# Allegro board F103_CH4_V10A.brd (continued)
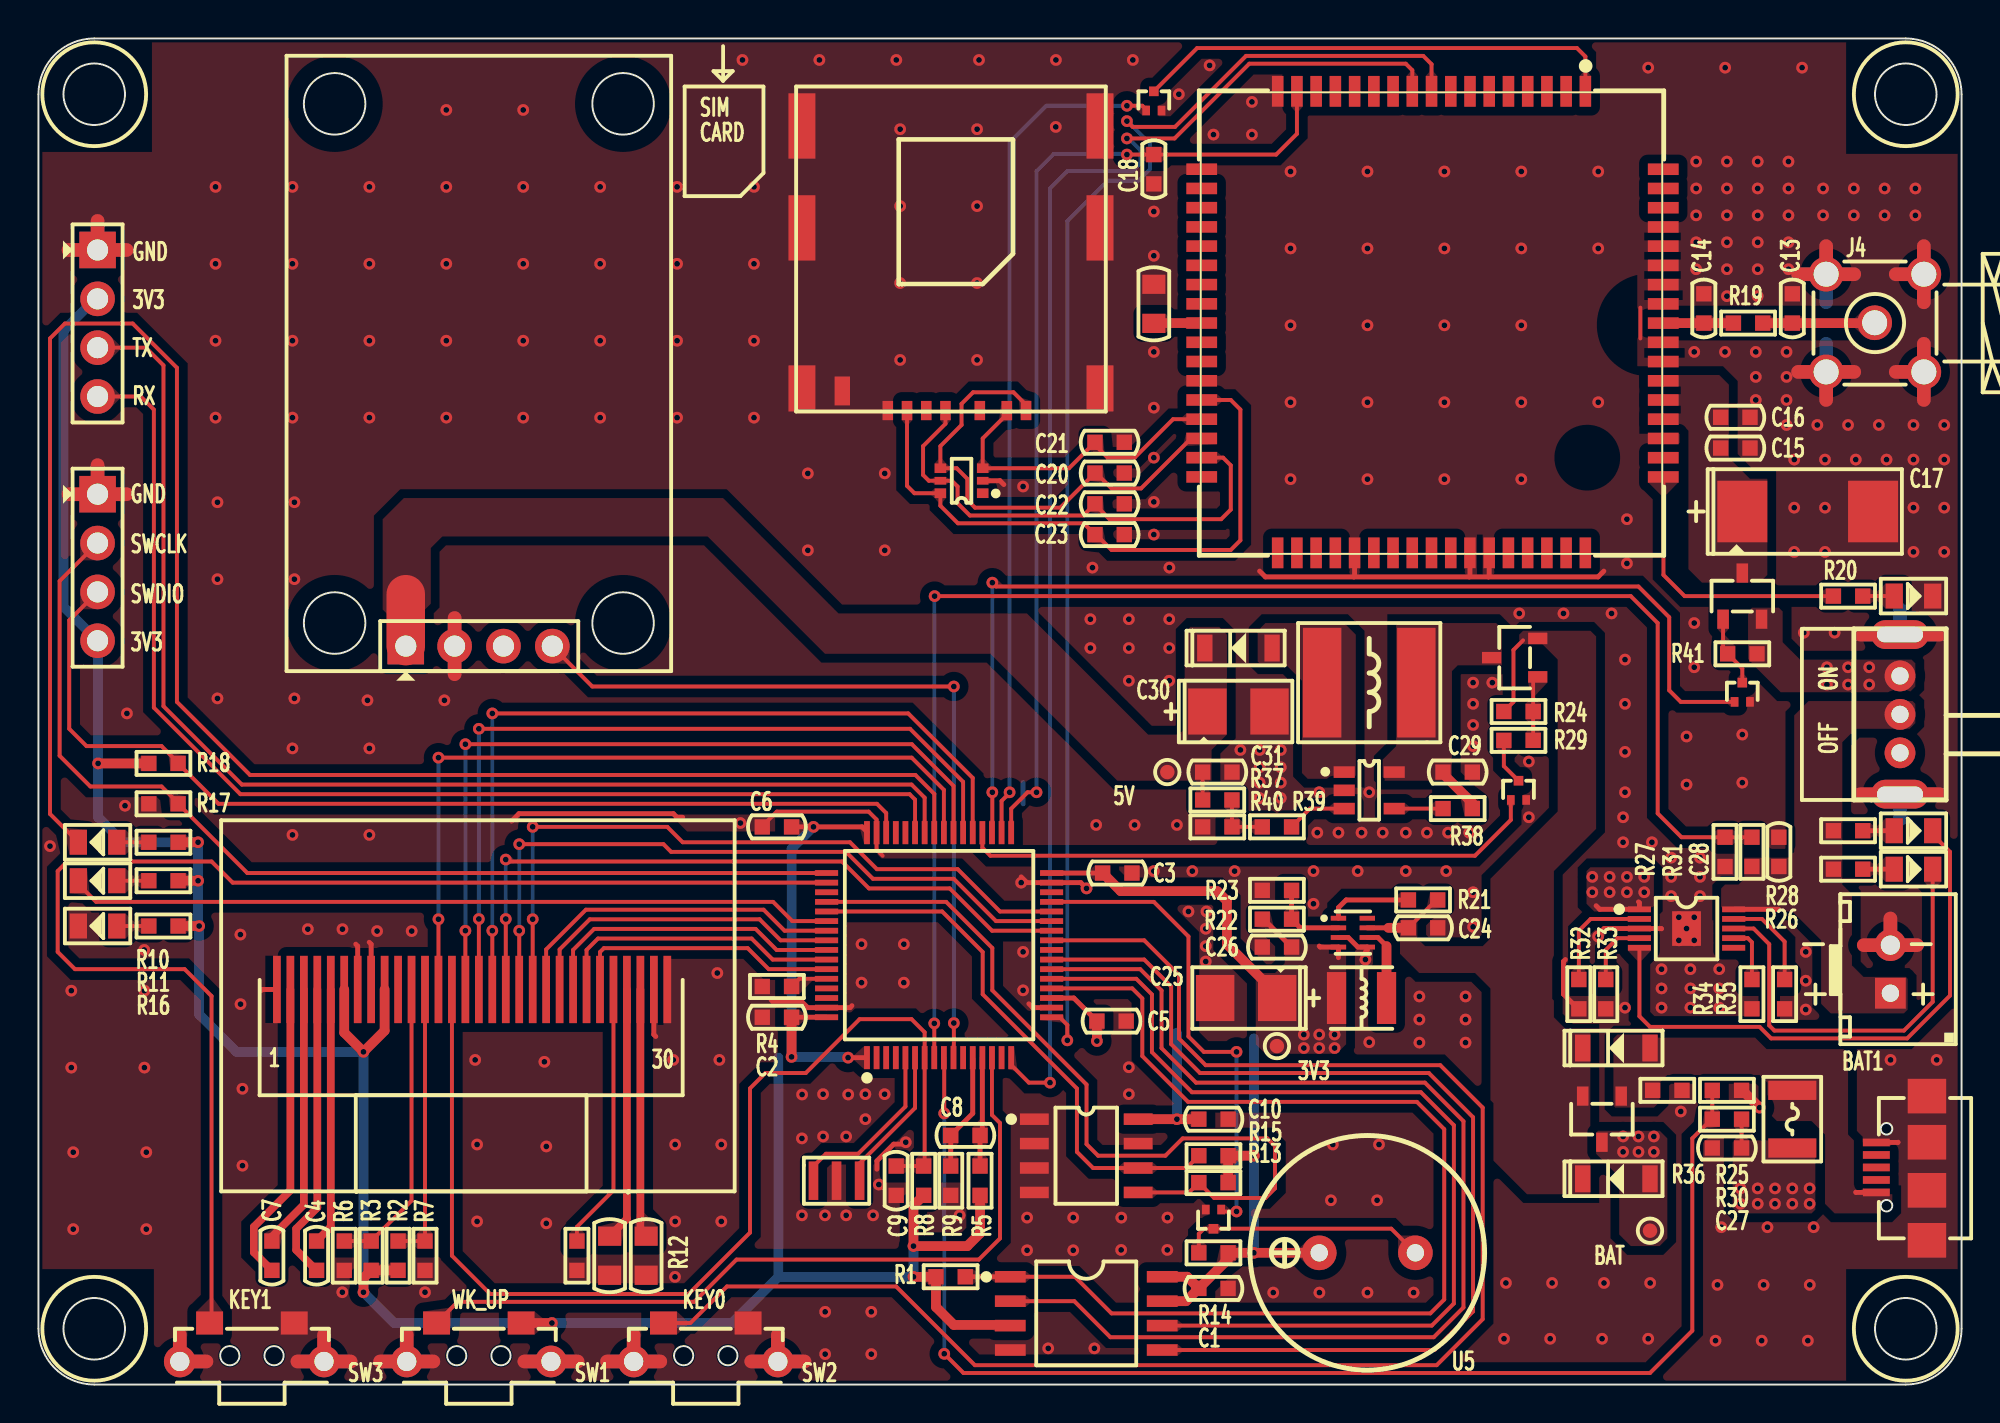
[diagram p0: board, top side]
## Routing (per net, layer and track width the routed paths; a pad name or vN(x,y) marks a point on that pad's centre or on a via; arc(x,y) is an arc through that point)
GND: length 199.9
  TOP w0.203: C6.1 37.64,29.04 38.39,29.79 43.17,29.79 43.58,29.38 U1.47 43.58,27.82 43.9,27.5 ; 83.3,56 83.3,54.4
  TOP w0.254: 96.7,12.6 96.69,12.59 USB1.5 ; U1.18 51.7,19.6 51.5,19.8 ; 75.4,42 74.4,42 ; 75.4,42 81.1,42 81.4,42.3 ; 75.4,42 75.44,42.04 U6.46 ; 74.4,42 74.44,42.04 U6.45 ; 74.4,42 68.4,42 ; v1(54.5,25.8) 54.2,26.1 U1.31 51.4,26.1 51.1,26.4 ; 32.1,18.1 32,18.2 U2.29 ; 24.6,29.3 24.99,29.69 33.01,29.69 33.2,29.5 33.5,29.5 ; 38.1,20 38.2,19.9 39.7,19.9 40,19.6 U1.63 42.2,19.6 42.3,19.7 ; 43.6,11.2 43.6,11.63 44.47,12.5 45,12.5 v1(45.1,12.6) ; 81.2,23.5 81.41,23.71 U9.3 84.39,23.71 84.4,23.7 ; U2.1 11.64,20.54 11.6,20.5 ; U7.2 50,47 50.2,46.8 ; 79.4,22.1 79.3,22 79.3,20.3 80.06,19.54 R32.2 ; 16.5,22.9 16.6,22.8 U2.7 ; U8.3 68.11,23.25 68.61,22.75 U8.5 69.1,22.6 69,22.5 ; 68.4,42 63.8,42 63.5,42.3 ; 68.4,42 68.44,42.04 U6.39 ; 17.2,23 17.3,22.9 U2.8
  TOP w0.508: R25.1 88.7,15.3 88.7,15.2 v1(89.5,14.4)
  TOP w0.711: SW1.4 20.53,1.2 ; SW1.4 19.15,2.58 ; SW1.4 17.77,1.2 ; 21.64,36.94 U11.2 21.64,39.86 ; SW3.1 16.23,1.2 ; SW3.1 14.85,2.58 ; SW3.1 13.47,1.2 ; J2.1 3.07,47.81 ; J2.1 4.58,46.3 ; J2.1 1.56,46.3 ; 94.92,22.85 BAT1.2 ; BAT1.2 96.3,24.23 ; BAT1.2 97.68,22.85 ; 91.5,52.66 J4.3 ; J4.3 94.42,52.66 ; J4.3 92.96,51.2 ; J4.5 98.04,59.2 ; J4.5 96.58,57.74 ; J4.5 98.04,56.28 ; J4.4 98.04,54.12 ; J4.4 96.58,52.66 ; J4.4 98.04,51.2 ; 29.57,1.2 SW2.4 ; SW2.4 30.95,2.58 ; SW2.4 32.33,1.2 ; 28.03,1.2 SW1.1 25.27,1.2 ; J4.2 94.42,57.74 ; J4.2 92.96,59.2 ; J4.2 91.5,57.74 ; SW2.1 38.45,2.58 ; SW2.1 39.83,1.2 ; SW2.1 37.07,1.2 ; 7.35,2.58 SW3.4 8.73,1.2 ; 98.86,30.7 SW4.1 94.74,30.7 ; J3.1 3.07,60.51 ; J3.1 1.56,59 ; J3.1 4.58,59 ; 98.86,39 SW4.5 94.74,39
  BOTTOM w0.254: 51.2,31.3 51.2,30.2
  BOTTOM w0.711: J4.3 92.96,54.12 ; J4.3 91.5,52.66 ; J4.3 92.96,51.2 ; J4.3 94.42,52.66 ; J3.1 4.58,59 ; J3.1 3.07,60.51 ; J3.1 1.56,59 ; 32.33,1.2 SW2.4 29.57,1.2 ; 25.27,1.2 SW1.1 28.03,1.2 ; 96.58,52.66 J4.4 ; J4.4 98.04,54.12 ; J4.4 98.04,51.2 ; 3.07,47.81 J2.1 4.58,46.3 ; 97.68,22.85 BAT1.2 96.3,24.23 ; 98.04,56.28 J4.5 ; J4.5 96.58,57.74 ; J4.5 98.04,59.2 ; 7.35,2.58 SW3.4 8.73,1.2 ; 94.74,39 SW4.5 ; SW4.5 96.8,40.31 ; SW4.5 98.86,39 ; SW2.1 39.83,1.2 ; SW2.1 37.07,1.2 ; SW2.1 38.45,2.58 ; 17.77,1.2 SW1.4 20.53,1.2 ; 13.47,1.2 SW3.1 ; SW3.1 14.85,2.58 ; SW3.1 16.23,1.2 ; 98.86,30.7 SW4.1 96.8,29.39 ; 92.96,56.28 J4.2 ; J4.2 91.5,57.74 ; J4.2 94.42,57.74 ; J4.2 92.96,59.2 ; 21.64,39.86 U11.2 21.64,36.94
  vias: v1(0.6,28) v1(1.71,20.48) v1(1.71,16.48) v1(1.81,12.08) v1(1.81,8.08) v1(4.5,30.1) v1(4.6,34.9) v1(5.5,22.6) v1(5.51,20.48) v1(5.51,16.48) v1(5.61,12.08) v1(5.61,8.08) v1(9.21,62.28) v1(9.21,58.28) v1(9.21,54.28) v1(9.21,50.28) v1(9.31,45.88) v1(9.31,41.88) v1(9.31,35.68) v1(10.5,23.4) v1(10.51,19.78) v1(10.61,15.38) v1(10.61,11.38) v1(13.21,62.28) v1(13.21,58.28) v1(13.21,54.28) v1(13.21,50.28) v1(13.21,33.08) v1(13.21,28.58) v1(13.31,45.88) v1(13.31,41.88) v1(13.31,35.68) v1(14.01,23.68) v1(15.81,23.68) v1(15.8,4.8) v1(17.11,35.58) v1(17.21,62.28) v1(17.21,58.28) v1(17.21,54.28) v1(17.21,50.28) v1(17.21,33.08) v1(17.21,28.58) v1(17.61,23.58) v1(19.41,23.58) v1(20.1,4.8) v1(21.11,35.58) v1(21.21,66.28) v1(21.21,62.28) v1(21.21,58.28) v1(21.21,54.28) v1(21.21,50.28) v1(22.71,16.88) v1(22.81,12.48) v1(22.81,8.48) v1(25.21,66.28) v1(25.21,62.28) v1(25.21,58.28) v1(25.21,54.28) v1(25.21,50.28) v1(26.31,16.78) v1(26.41,12.38) v1(26.41,8.38) v1(29.21,62.28) v1(29.21,58.28) v1(29.21,54.28) v1(29.21,50.28) v1(33.01,16.88) v1(33.11,12.48) v1(33.11,8.48) v1(33.1,5.6) v1(33.21,62.28) v1(33.21,58.28) v1(33.21,54.28) v1(33.21,50.28) v1(35.3,21.4) v1(35.41,16.88) v1(35.51,12.48) v1(35.51,8.48) v1(36.5,29.2) v1(36.61,68.88) v1(37.21,62.28) v1(37.21,58.28) v1(37.21,54.28) v1(37.21,50.28) v1(39.71,15.08) v1(39.7,12.8) v1(39.7,8.8) v1(40.01,47.38) v1(40.01,43.38) v1(40.61,68.88) v1(40.8,15.1) v1(40.8,12.9) v1(40.9,8.8) v1(40.91,3.78) v1(40.91,1.58) v1(42,12.9) v1(42,8.8) v1(42.11,15.08) v1(42.8,22.9) v1(42.8,20.9) v1(43,15.1) v1(43,13.8) v1(43.31,3.78) v1(43.31,1.58) v1(43.4,8.8) v1(43.7,10.4) v1(44.01,47.38) v1(44.01,43.38) v1(44,15.1) v1(44.61,68.88) v1(44.81,65.28) v1(44.81,61.28) v1(44.81,57.28) v1(44.81,53.28) v1(45,22.9) v1(45,20.9) v1(47.9,8.8) v1(48.81,65.28) v1(48.81,61.28) v1(48.81,57.28) v1(48.81,53.28) v1(48.91,68.88) v1(51.1,26.1) v1(51.2,46.7) v1(51.2,22.5) v1(51.2,20.5) v1(51.41,8.68) v1(51.41,6.98) v1(52.51,1.88) v1(52.91,68.88) v1(52.9,65.4) v1(53.81,8.68) v1(53.81,6.98) v1(54.7,39.8) v1(54.7,38.3) v1(54.81,42.48) v1(54.91,1.88) v1(55,29.1) v1(56.31,8.68) v1(56.3,7) v1(56.7,39.8) v1(56.7,38.3) v1(56.7,36.6) v1(56.7,16.5) v1(56.7,15.1) v1(56.91,68.88) v1(57,29.1) v1(58,61) v1(58,58.7) v1(58,53.7) v1(58,50.8) v1(58,48.2) v1(58,45.9) v1(58,44.2) v1(58,26.7) v1(58.71,8.68) v1(58.7,7) v1(58.81,42.48) v1(58.8,39.8) v1(58.8,38.3) v1(58.8,36.6) v1(59.2,29.1) v1(59.3,67.1) v1(59.8,24.6) v1(60,26.7) v1(60.74,24.6) v1(60.7,23.7) v1(60.7,22.8) v1(60.7,22) v1(60.9,68.6) v1(61.1,65) v1(62.2,26.7) v1(62.5,33) v1(63.1,66.7) v1(63.1,65) v1(63.5,33) v1(63.5,32.1) v1(63.5,31.3) v1(63.5,30.5) v1(64.21,4.78) v1(64.6,33) v1(64.6,32.1) v1(64.6,31.3) v1(64.6,30.5) v1(65.11,63.08) v1(65.11,59.08) v1(65.11,55.08) v1(65.11,51.08) v1(65.11,47.08) v1(66.3,26.7) v1(66.3,25) v1(66.5,28.7) v1(66.6,30.8) v1(66.61,4.78) v1(67.21,9.58) v1(67.31,12.48) v1(67.6,28.7) v1(68.6,26.7) v1(68.8,28.7) v1(69,22.1) v1(69.11,63.08) v1(69.11,59.08) v1(69.11,55.08) v1(69.11,51.08) v1(69.11,47.08) v1(69.11,4.78) v1(69.2,30.8) v1(69.2,17.8) v1(69.61,9.58) v1(69.71,12.48) v1(69.9,28.7) v1(71.1,28.7) v1(71.1,26.7) v1(71.51,4.78) v1(71.81,20.18) v1(71.81,18.98) v1(71.81,17.78) v1(72.2,28.7) v1(73.11,63.08) v1(73.11,59.08) v1(73.11,55.08) v1(73.11,51.08) v1(73.11,47.08) v1(73.2,26.7) v1(73.3,28.7) v1(74.21,20.18) v1(74.21,18.98) v1(74.21,17.78) v1(74.4,28.7) v1(74.6,36.5) v1(74.6,35.4) v1(74.6,34.3) v1(74.6,33.2) v1(74.6,25.6) v1(74.6,23.8) v1(75.6,36.5) v1(76.21,2.38) v1(76.31,5.28) v1(77,40.1) v1(77.11,63.08) v1(77.11,59.08) v1(77.11,55.08) v1(77.11,51.08) v1(77.11,47.08) v1(77.5,32.4) v1(77.5,29.5) v1(78.61,2.38) v1(78.71,5.28) v1(79.3,40.1) v1(81.11,63.08) v1(81.11,59.08) v1(81.11,51.08) v1(81.1,23.3) v1(81.31,2.38) v1(81.41,5.28) v1(81.8,40.1) v1(82.4,29.5) v1(82.4,28.2) v1(82.5,37.7) v1(82.5,35.4) v1(82.5,32.9) v1(82.5,30.8) v1(82.5,19.6) v1(82.6,45) v1(82.6,42.7) v1(83.71,68.48) v1(83.71,2.38) v1(83.81,5.28) v1(83.9,28.2) v1(84.4,21.6) v1(84.4,20.6) v1(84.4,19.6) v1(84.9,27.4) v1(84.9,26.4) v1(84.9,25.4) v1(85.3,24.3) v1(85.3,23.1) v1(85.4,14.2) v1(85.7,33.7) v1(85.7,31.2) v1(85.7,23.71) v1(85.9,21.6) v1(85.9,20.6) v1(85.9,19.6) v1(86.1,53.7) v1(86.1,39.6) v1(86.1,37.3) v1(86.1,24.3) v1(86.1,23.1) v1(86.2,63.6) v1(86.2,62.2) v1(86.2,60.8) v1(86.2,59.4) v1(86.2,58) v1(86.4,27.4) v1(86.4,26.4) v1(86.4,25.4) v1(87.21,2.28) v1(87.31,5.18) v1(87.4,21.6) v1(87.4,20.6) v1(87.4,19.6) v1(87.51,8.18) v1(87.71,68.48) v1(87.7,53.7) v1(87.8,63.6) v1(87.8,62.2) v1(87.8,60.8) v1(87.8,59.4) v1(87.8,58) v1(87.8,56.6) v1(88.6,33.8) v1(88.6,31.3) v1(89.3,53.7) v1(89.3,52.4) v1(89.3,51.2) v1(89.4,63.6) v1(89.4,62.2) v1(89.4,60.8) v1(89.4,59.4) v1(89.4,58) v1(89.4,56.6) v1(89.61,2.28) v1(89.71,5.18) v1(89.91,8.18) v1(90.9,53.7) v1(90.9,52.4) v1(90.9,51.2) v1(90.9,49.9) v1(91,63.6) v1(91,62.2) v1(91,60.8) v1(91,59.4) v1(91,58) v1(91.3,48.1) v1(91.3,45.6) v1(91.3,43.3) v1(91.71,68.48) v1(91.8,39.1) v1(91.9,22.5) v1(91.9,21) v1(91.9,19.5) v1(92.01,2.28) v1(92.11,5.18) v1(92.31,8.18) v1(92.5,49.9) v1(92.8,62.2) v1(92.8,60.8) v1(92.9,48.1) v1(92.9,45.6) v1(92.9,43.3) v1(93.4,39.1) v1(94.1,49.9) v1(94.4,62.2) v1(94.4,60.8) v1(94.5,48.1) v1(95.7,49.9) v1(96,62.2) v1(96,60.8) v1(96.1,48.1) v1(96.31,16.88) v1(97.5,49.9) v1(97.5,48.1) v1(97.5,45.6) v1(97.5,43.3) v1(97.6,62.2) v1(97.6,60.8) v1(98.71,16.88) v1(99.1,49.9) v1(99.1,48.1) v1(99.1,45.6) v1(99.1,43.3)
VCC_3.3V: length 222.2
  TOP w0.254: C5.2 53.84,20.1 U1.19 ; U1.1 v1(42.1,17) ; U1.32 C3.2 ; U1.48 43.08,28.75 42.83,29 v1(40.3,29) C6.2 ; C26.1 63.71,24.2 R22.1 ; U1.64 C2.2 ; 67.6,22.2 U8.4 66.65,22.75 66.6,22.8
  TOP w0.508: U3.3 50.5,3.1 47.6,3.1 46.67,4.03 R1.1 46.66,5.6 v1(45.5,5.6) ; R2.2 R3.2 16.9,5.54 v1(16.9,4.8) ; U2.6 15.9,18.3 v1(16.9,17.3) 18,18.4 U2.9 ; U4.8 v1(59.2,13.8) C10.2 ; C1.1 59.67,4.33 U3.7 ; C1.1 61.86,6.52 R14.1 v1(63.2,6.85) U5.1 ; C1.1 59.73,5.61 U3.8 ; R11.1 v1(8.3,26.2) ; 64.42,20.1 64.42,20.29 61.8,22.9 61.8,25.15 61.29,25.66 56.28,25.66 C3.2 ; R8.1 45.5,9.31 v1(45.5,7.2) 48.3,7.2 48.96,7.86 R5.2 ; v1(63.2,11.9) R15.2 R13.2 ; SW1.2 v1(26.7,3.2) ; C2.2 v1(39.16,17.04) ; R10.1 v1(8.3,28.2) ; R18.1 v1(3.1,32.3) ; C5.2 v1(55.04,17.86) ; R16.1 v1(8.36,23.84)
  BOTTOM w0.508: v1(42.1,17) 42.06,17.04 v1(39.16,17.04) 39.16,27.86 v1(40.3,29) ; 38.48,5.6 38.48,17 ; 38.48,5.6 36.08,3.2 v1(26.7,3.2) 18.5,3.2 v1(16.9,4.8) v1(16.9,17.3) 10.3,17.3 8.36,19.24 v1(8.36,23.84) 8.3,23.9 v1(8.3,26.2) v1(8.3,28.2) 4.4,28.2 3.1,29.5 v1(3.1,32.3) 3.1,38.65 J2.4 1.3,40.45 1.3,54.8 2.96,56.46 J3.2 ; 38.48,5.6 v1(45.5,5.6) v1(45.5,7.2) ; v1(63.2,6.85) v1(63.2,11.9) 63.2,18 ; v1(59.2,13.8) 59.2,18.3
  vias: v1(65.8,18.2) v1(65.8,17.5) v1(66.6,18.2) v1(66.6,17.5) v1(67.4,18.2) v1(67.4,17.5)
VCC_5V_SENSOR: length 4.2
  TOP w0.203: R37.1 C31.1
  TOP w2: U11.1 19.1,41.1
VCC_BAT:
  vias: v1(82.4,12.9) v1(82.4,12.1) v1(83.2,12.9) v1(83.2,12.1) v1(84,12.9) v1(84,12.1) v1(93,37.3) v1(93,36.4) v1(94.1,37.3) v1(94.1,36.4) v1(95.2,37.3) v1(95.2,36.4)
VCC_DCDC: length 8.4
  TOP w0.203: 77.2,38.7 76.7,38.2 76.7,35.5 R24.1 ; R21.1 72.69,25.2 C24.1
  TOP w0.254: 70.2,23.75 U8.7
  TOP w0.508: C24.1 70.2,23.75
VCC_SENSOR: length 2.5
  TOP w0.508: R38.1 74.56,30.24 73.04,31.76 C29.1
VCC_USB: length 1.1
  TOP w0.254: 94.5,10 94.51,9.99 USB1.1
VDDA: length 5.7
  TOP w0.254: U1.13 49.08,13.08 C8.2 R5.1
VSSA: length 6.1
  TOP w0.254: U1.12 48.58,14.1 C8.1 R9.1
ADC_BAT: length 77.5
  TOP w0.203: U1.8 v1(46.58,18.78) ; v1(46.6,41) 82.8,41 84.2,39.6 84.2,29.7 85.44,28.46 R27.2 R31.1
  BOTTOM w0.203: v1(46.58,18.78) 46.58,40.98 v1(46.6,41)
ADC_USB: length 68.6
  TOP w0.203: U1.9 47.1,16.98 v1(47.1,14.1) ; v1(47.1,1.6) 48.1,0.6 83.8,0.6 86,2.8 86,12.8 87,13.8 R30.1 R25.2
  BOTTOM w0.203: v1(47.1,1.6) v1(47.1,14.1)
BOOT0: length 2
  TOP w0.203: R4.1 39.56,21.1 U1.60
BS1: length 15.4
  TOP w0.203: R6.2 R3.1 19.4,9.56 U2.11
BS2: length 14.5
  TOP w0.203: R2.1 R7.2 U2.12
CTL_BEEP: length 25
  TOP w0.203: v1(62.3,17.3) 60.6,17.3 59.8,18.1 59.8,23.3 58,25.1 U1.29 ; v1(62.3,9) 61.6,9 Q1.1
  BOTTOM w0.203: v1(62.3,17.3) v1(62.3,9)
CTL_GPRS: length 56.4
  TOP w0.203: Q7.1 85.4,35.5 84.8,36.1 84.8,39.9 83.2,41.5 49.8,41.5 v1(49.6,41.7) ; U1.35 49.6,28.72 v1(49.6,30.8)
  BOTTOM w0.203: v1(49.6,41.7) v1(49.6,30.8)
CTL_SENSOR: length 30.2
  TOP w0.203: Q4.1 76.56,29.36 74.7,27.5 49.5,27.5 49.08,27.92 U1.36
F_CS: length 60.1
  TOP w0.203: U1.20 56.88,20.6 57.4,20.08 57.4,17.08 59.78,14.7 71.68,14.7 73.1,13.28 73.1,4.42 72.38,3.7 55.8,3.7 53.9,5.61 U3.1
  TOP w0.254: U3.1 R1.2
GPRS_PWRKEY: length 44.1
  TOP w0.203: v1(50.5,30.8) 50.5,30.77 50.08,30.35 U1.34 ; Q2.1 57.6,66.3 57.4,66.5 v1(56.6,66.5)
  BOTTOM w0.203: v1(56.6,66.5) 52.4,66.5 50.5,64.6 v1(50.5,30.8)
GPRS_RESET: length 51.8
  TOP w0.203: U1.33 50.58,29.95 51.43,30.8 v1(51.9,30.8) ; v1(56.6,63.96) C18.2 64.36,63.96 65.44,65.04 U6.16
  BOTTOM w0.203: v1(51.9,30.8) 51.9,63.1 52.8,64 56.56,64 v1(56.6,63.96)
IIC_SCL: length 28.4
  TOP w0.203: R15.1 59.7,11.26 U4.6 54.84,11.26 54,12.1 54,15.39 49.1,20.29 49.1,22.49 46.99,24.6 U1.53
IIC_SDA: length 42.5
  TOP w0.203: U1.52 47.2,25.1 49.6,22.7 49.6,20.5 54.5,15.6 54.5,12.5 55.1,11.9 58.6,11.9 59.5,12.8 63.9,12.8 64.3,12.4 64.3,10.2 63.8,9.7 61.14,9.7 R13.1 59.83,9.99 U4.5
KEY0: length 85
  TOP w0.203: SW2.3 33.9,3.2 35.8,5.1 44.6,5.1 48.69,1.01 72.71,1.01 75.1,3.4 75.1,14.4 72.89,16.61 60.69,16.61 59.31,17.99 59.31,21.29 57.5,23.1 U1.25
KEY1: length 70.8
  TOP w0.203: U1.50 10.1,26.1 9,27.2 1.5,27.2 1,26.7 1,22.5 1.9,21.6 7.6,21.6 9,20.2 9,3.3 SW3.3
LED0: length 95.4
  TOP w0.203: U1.41 46.58,30.72 45.6,31.7 11,31.7 7.2,35.5 7.2,52.87 4.9,55.18 1.38,55.18 0.6,54.4 0.6,29.67 D1.2
LED1: length 39.9
  TOP w0.203: U1.54 39.2,24.1 38.2,25.1 3,25.1 2.07,26.03 D2.2
MQ4_AO: length 41.1
  TOP w0.203: v1(47.6,18.8) 47.6,17.02 U1.10 ; U11.4 26.72,38.38 28.8,36.3 v1(47.6,36.3)
  BOTTOM w0.203: v1(47.6,36.3) v1(47.6,18.8)
NETLED: length 14.4
  TOP w0.203: R20.1 85.6,41 84.5,42.1 84.5,47.19 U6.52
NRST: length 58.3
  TOP w0.203: U2.14 21.5,6.7 23.49,4.71 33.81,4.71 37,7.9 37,15.4 37.8,16.2 39.9,16.2 42.7,19 45.4,19 46.08,18.32 U1.7 46.08,11.41 R8.2 C9.1
OLED_CS: length 41.3
  TOP w0.203: U2.13 v1(20.8,24.2) ; v1(20.8,32.6) 45.41,32.6 47.08,30.93 U1.40
  BOTTOM w0.203: v1(20.8,24.2) v1(20.8,32.6)
OLED_D0: length 36.7
  TOP w0.203: v1(24.3,27.3) 24.4,27.3 24.5,27.2 41.79,27.2 43.19,25.8 47.39,25.8 49.59,23.6 U1.26 ; U2.18 v1(24.3,24.21)
  BOTTOM w0.203: v1(24.3,24.21) v1(24.3,27.3)
OLED_D1: length 36.9
  TOP w0.203: U1.27 49.79,24.1 47.59,26.3 43.39,26.3 41.99,27.7 32.9,27.7 32.5,28.1 v1(25,28.1) ; U2.19 v1(25,23.6)
  BOTTOM w0.203: v1(25,23.6) v1(25,28.1)
OLED_D2: length 37.3
  TOP w0.203: v1(25.7,29) 32.7,29 33.5,28.2 42.2,28.2 43.6,26.8 47.8,26.8 50,24.6 U1.28 ; U2.20 v1(25.7,24.2)
  BOTTOM w0.203: v1(25.7,24.2) v1(25.7,29)
OLED_D3: length 18
  TOP w0.203: U2.21 26.4,22.63 28.47,24.69 37.71,24.69 38.8,23.6 U1.55
OLED_D4: length 17.1
  TOP w0.203: U2.22 27.1,22.63 28.67,24.19 37.5,24.19 38.59,23.1 U1.56
OLED_D5: length 16.1
  TOP w0.203: U1.57 38.39,22.6 37.29,23.69 28.89,23.69 27.8,22.6 U2.23
OLED_D6: length 15.2
  TOP w0.203: U2.24 28.5,22.6 29.09,23.19 37.08,23.19 38.18,22.1 U1.58
OLED_D7: length 14.3
  TOP w0.203: U2.25 29.2,22.49 29.4,22.69 36.88,22.69 37.97,21.6 U1.59
OLED_DC: length 41.5
  TOP w0.203: v1(22.2,33.3) 45.41,33.3 47.58,31.13 U1.39 ; U2.15 v1(22.2,23.6)
  BOTTOM w0.203: v1(22.2,23.6) v1(22.2,33.3)
OLED_RD: length 43.6
  TOP w0.203: U1.37 48.58,31.55 45.23,34.9 v1(23.6,34.9) ; U2.17 v1(23.6,23.6)
  BOTTOM w0.203: v1(23.6,23.6) v1(23.6,34.9)
OLED_RW: length 42.5
  TOP w0.203: U1.38 48.08,31.34 45.32,34.1 v1(22.9,34.1) ; U2.16 v1(22.9,24.21)
  BOTTOM w0.203: v1(22.9,24.21) v1(22.9,34.1)
OSC_IN: length 9.4
  TOP w0.203: X1.1 40.3,11.35 40.95,12 42.63,12 45.08,14.46 U1.5
OSC_OUT: length 7.6
  TOP w0.203: X1.3 42.7,11.5 45.58,14.38 U1.6
SPI1_MISO: length 61.1
  TOP w0.203: U3.2 53.86,4.33 55.74,2.46 72.55,2.46 74.1,4.01 74.1,13.69 72.09,15.7 60.19,15.7 58.4,17.49 58.4,20.49 57.29,21.6 U1.22
SPI1_MOSI: length 54.2
  TOP w0.203: U3.5 72.59,1.79 74.6,3.8 74.6,13.9 72.3,16.2 60.4,16.2 58.9,17.7 58.9,20.7 57.5,22.1 U1.23
SPI1_SCK: length 50.7
  TOP w0.203: U1.21 57.09,21.1 57.9,20.29 57.9,17.29 59.99,15.2 71.89,15.2 73.6,13.49 73.6,4.21 72.45,3.06 58.44,3.06
SWCLK: length 54.3
  TOP w0.203: U1.49 10.86,26.6 R17.2 7.26,30.24 6.4,31.1 2.7,31.1 1.1,32.7 1.1,41.79 J2.2
SWDIO: length 53.1
  TOP w0.203: J2.3 1.6,39.75 1.6,34.1 2.5,33.2 6.4,33.2 7.26,32.34 R18.2 9.36,30.2 43.6,30.2 44.08,29.72 U1.46
UIM_CLK: length 25.2
  TOP w0.203: CON1.3 51.35,50.95 50.7,51.6 48.6,51.6 48,51 48,49.9 46.9,48.8 U7.4 47.75,47.65 48.3,47.1 48.3,46 48.7,45.6 53.14,45.6 C20.1 55,47.4 55.8,46.6 57.33,46.6 59.93,49.2 U6.32
UIM_DATA: length 16.7
  TOP w0.203: U6.31 59,50.2 57,48.2 55.6,48.2 54.94,48.86 C21.1 53.59,47.65 U7.3 49.1,49.2 50.35,50.45 CON1.7
UIM_RST: length 26
  TOP w0.203: U6.33 61.6,48.2 62,47.8 62,45.5 61.5,45 55.7,45 54.94,45.76 C22.1 54.33,45.19 48.43,45.19 47.79,45.83 47.79,46.7 47.49,47 U7.5 46.3,47 46,47.3 46,48.8 47.16,49.97 CON1.2
UIM_VDD: length 32.2
  TOP w0.203: CON1.1 45.16,46.73 45.55,46.35 U7.6 46.9,45.7 47.81,44.79 54.35,44.79 C23.2 55,44.2 55.8,43.4 62,43.4 62.5,43.9 62.5,50.7 62,51.2 U6.30
USART1_RX: length 62
  TOP w0.203: J3.4 5.32,51.38 6,50.7 6,35.2 10.5,30.7 45.3,30.7 45.58,30.42 U1.43
USART1_TX: length 64.9
  TOP w0.203: U1.42 46.08,30.52 45.4,31.2 10.57,31.2 6.5,35.27 6.5,53 5.58,53.92 J3.3
USART2_RX: length 71.9
  TOP w0.203: v1(53.5,17.9) 53.5,18.7 53.1,19.1 U1.17 ; U6.9 72.44,68.66 72.01,69.09 62.79,69.09 59.1,65.4 56.9,65.4 v1(56.6,65.7)
  BOTTOM w0.203: v1(56.6,65.7) 56.63,65.7 57.8,64.53 57.8,63.2 57.2,62.6 55.6,62.6 53.5,60.5 v1(53.5,17.9)
USART2_TX: length 73.9
  TOP w0.203: v1(52.6,15.7) 51.5,15.7 50.58,16.62 U1.16 ; v1(56.6,64.8) 59.07,64.8 62.96,68.69 71.1,68.69 71.44,68.35 U6.10
  BOTTOM w0.203: v1(56.6,64.8) 56.7,64.8 57.3,64.2 57.3,63.5 56.9,63.1 53.5,63.1 52.6,62.2 v1(52.6,15.7)
WK_UP: length 40.7
  TOP w0.203: U1.14 49.58,14.02 50,13.6 50,7.6 48.9,6.5 36.3,6.5 34.1,4.3 21.8,4.3 SW1.3
N17022771: length 3.4
  TOP w0.203: Q3.1 77.72,36.56 R24.2 R29.1
N17023235: length 2.4
  TOP w0.203: Q4.3 76.2,32.16 R29.2
N17026623: length 1.7
  TOP w0.203: D1.1 R10.2
N17026648: length 1.7
  TOP w0.203: D2.1 R11.2
N17026724: length 1.7
  TOP w0.203: R16.2 D3.1
N17028213: length 3.7
  TOP w0.203: Q6.1 87.6,38.24 R41.2 88.6,37.24 Q7.3
N17050921: length 5.8
  TOP w0.508: J4.1 95.47,55.2 C13.2 R19.1
N17050927: length 3.6
  TOP w0.508: U6.60 C14.2 R19.2
N17051220: length 25.4
  TOP w0.203: U6.1 80.44,69.06 80,69.5 60.25,69.5 Q2.3
N17051445: length 2.5
  TOP w0.508: C19.1 58.02,55.2 U6.26
N17056380: length 13.8
  TOP w0.4: U2.3 13.8,9.35 12.14,7.69 C7.1
N17056384: length 15.8
  TOP w0.4: C7.2 11.2,6.88 11.2,8.2 13.1,10.1 U2.2
N17056392: length 15.5
  TOP w0.4: U2.4 14.5,9.2 13.4,8.1 13.4,7 C4.1
N17056408: length 13.4
  TOP w0.4: C4.2 15.2,8.2 U2.5
N17056584: length 13.9
  TOP w0.203: R12.2 28,8.2 29.9,10.1 U2.26
N17056586: length 13.2
  TOP w0.4: U2.27 30.6,8.62 C11.1
N17056590: length 13
  TOP w0.4: U2.28 31.3,8.02 C12.1
N17058157: length 22.5
  TOP w0.203: U9.8 89.19,23.71 90,22.9 90,18.67 90.27,18.41 97.01,18.41 98.5,19.9 D5.2
N17058162: length 1.6
  TOP w0.254: R26.1 D5.1
N17058164: length 2.4
  TOP w0.254: 90.5,24.7 90.49,24.71 U9.10
N17058219: length 30.1
  TOP w0.203: U9.5 83.25,19.15 83.8,18.6 89.5,18.6 90.1,18 97.17,18 99.4,20.23 99.4,27.7 98.5,28.6 D6.2
N17058224: length 1.6
  TOP w0.254: R28.1 D6.1
N17058271: length 4.2
  TOP w0.203: R30.2 C27.1
  TOP w0.254: 81,24.9 81.19,24.71 U9.1 83.25,25.05 83.2,25.1
  vias: v1(80.8,26.4) v1(80.8,25.6) v1(81.7,26.4) v1(81.7,25.6) v1(82.6,26.4) v1(82.6,25.6) v1(83.5,26.4) v1(83.5,25.6) v1(88.5,10.2) v1(88.5,9.4) v1(89.4,10.2) v1(89.4,9.4) v1(90.3,10.2) v1(90.3,9.4) v1(91.2,10.2) v1(91.2,9.4) v1(92.1,10.2) v1(92.1,9.4)
N17058317: length 5.9
  TOP w0.203: U9.2 80.71,24.21 80.1,23.6 R32.1
N17058321: length 5.1
  TOP w0.203: R35.1 90.8,23.03 89.62,24.21 U9.9
N17058347: length 3.5
  TOP w0.203: U9.4 82.11,23.21 81.5,22.6 R33.1
N17058351: length 3
  TOP w0.203: U9.7 88.89,23.21 89.1,23 R34.1
N17058835: length 4.4
  TOP w0.254: U8.1 67.6,24.8 68,25.2 R21.2
N17058845: length 4.1
  TOP w0.254: U8.2 65.61,23.75 R22.2 R23.1
N17058865: length 3.9
  TOP w0.254: U8.6 69.65,23.25 70.1,22.8
  TOP w0.508: L1.1 70.1,22.8
N17060340: length 3.1
  TOP w0.203: U10.3 66.11,29.95 R39.1
N17060374: length 3
  TOP w0.203: R39.2 R40.1 R37.2
N17061059: length 2.5
  TOP w0.203: U10.4 R38.2
N17064279: length 12.9
  TOP w0.203: R14.2 60.34,7.84 60.6,8.1 Q1.3 61.11,8.11 70.34,8.11 U5.2
N170520860: length 1.6
  TOP w0.203: R20.2 94.87,41 D4.1

## Copper pours and planes (outline as drawn; the poured copper is in the pictures)
GND on TOP: 5.9,69.8 94,69.8 94,64 99.8,64 99.8,6 94,6 94,0.2 6,0.2 6,6 0.2,6 0.2,64.1 5.9,64.1 ; 28 cut-outs
GND on BOTTOM: 5.9,69.8 94,69.8 94,64 99.8,64 99.8,6 94,6 94,0.2 6,0.2 6,6 0.2,6 0.2,64.1 5.9,64.1 ; 4 cut-outs
VCC_3.3V on TOP: 64.8,23.2 65.6,23.2 65.9,22.9 68,22.9 68,22.7 67.1,22.7 67.1,22.4 68,22.4 68,17.7 67.5,17.2 63.8,17.2 63.3,17.7 63.3,21.3 63.4,21.4 64.3,21.4 64.8,21.9
VCC_3.3V on BOTTOM: 54.9,19.5 67.4,19.5 68,18.9 68,17.6 67.5,17.1 63.5,17.1 62.6,18 56.3,18 55.8,17.5 55.8,14.2 55,13.4 51.1,13.4 49.9,14.6 49.9,16.2 49.5,16.6 38.6,16.6 38.3,16.9 38.3,18.3 38.9,18.9 39.3,18.9 40,18.2 50.3,18.2 51.7,16.8 51.7,15.4 52.2,14.9 53.9,14.9 54.4,15.4 54.4,19
VCC_5V_SENSOR on TOP: 61,31.4 61,33 61.8,33.8 61.8,39 61.4,39.4 59.9,39.4 59.6,39.1 59.6,34.1 59.3,33.8 57.7,33.8 51.4,40.1 41.6,40.1 35.6,46.1 19,46.1 17.9,45 17.9,40.3 18.1,40.1 19.9,40.1 20.4,40.6 20.4,43.5 21,44.1 34.8,44.1 40.9,38 49.5,38 56.1,31.4
VCC_BAT on TOP: 81.1,13.2 84.3,13.2 84.7,12.8 84.7,7.6 84.3,7.2 82.8,7.2 82.2,7.8 82.2,10.8 81,12 81,13.1
VCC_BAT on TOP: 88.9,40.2 88.9,37.7 90.6,36 97.3,36 97.6,36.3 97.6,37.5 97.4,37.7 91.6,37.7 90.7,38.6 90.7,40.2 90.5,40.4 89.1,40.4
VCC_BAT on BOTTOM: 93.1,11.7 94.6,13.2 94.6,35.6 95,36 97.4,36 97.7,36.3 97.7,37.5 97.4,37.8 93,37.8 92.5,37.3 92.5,14.4 91.5,13.4 82.2,13.4 81.7,12.9 81.7,12.2 82.2,11.7
VCC_DCDC on TOP: 81,38.9 81,28.9 78.8,26.7 78.8,19.1 79.6,18.3 80.7,18.3 80.7,9.9 77.4,9.9 75.5,11.8 75.5,20.6 74.7,21.4 71.8,21.4 70.8,22.4 70.8,24.1 70.9,24.2 71.7,24.2 71.7,23.2 72.1,22.8 75.1,22.8 75.5,23.2 75.5,26.3 79,29.8 79,37.7 78.2,38.5 77.2,38.5 77,38.7 77,39 77.2,39.2 80.7,39.2
VCC_GPRS on TOP: 83.7,52.5 87.4,52.5 87.9,52 87.9,48.2 89,47.1 89.9,47.1 89.9,42.1 89.5,41.7 86.5,41.7 85.8,42.4 85.8,49.6 85.5,49.9 83.7,49.9 83.7,50.5 85.4,50.5 85.4,50.9 83.7,50.9 83.7,51.5 85.4,51.5 85.4,51.9 83.7,51.9
VCC_SENSOR on TOP: 70.6,39.6 75.8,39.6 76.1,39.3 76.1,37.4 73.8,37.4 73.5,37.1 73.5,31.4 70,31.4 70,31.5 69.9,31.6 69.9,32.5 70.6,33.2
VCC_USB on TOP: 82.1,18.2 89.3,18.2 89.9,17.6 93.7,17.6 94.1,17.2 94.1,13 94.4,12.7 94.4,10.4 94.9,9.9 96.4,9.9 96.4,9.1 96.2,8.9 93.4,8.9 92.9,9.4 92.9,13 92.2,13.7 90.4,13.7 89.9,14.2 89.9,15.7 89.5,16.1 84.7,16.1 84.3,15.7 84.3,14.7 84,14.4 82,14.4 81.9,14.5 81.9,18
N17058164 on TOP: 87.5,24.6 91.2,24.6 92.7,23.1 92.7,19.8 93.2,19.3 97,19.3 97.2,19.5 97.2,21.1 97.1,21.2 94.9,21.2 94.3,21.8 94.3,25.5 93.8,26 93.8,33.4 94.5,34.1 97.3,34.1 97.6,34.4 97.6,35.4 97.3,35.7 92.2,35.7 91.3,34.8 91.3,27.7 91,27.4 88.7,27.4 88.7,26.3 88.4,26 87.7,26 87.5,25.8
N17058271 on TOP: 80.7,26.9 83.8,26.9 84,26.7 84,24.8 83.8,24.6 80.9,24.6 80.5,25 80.5,26.7
N17058271 on TOP: 88.2,12.7 92.4,12.7 92.4,9.1 92.2,8.9 88.4,8.9 88.1,9.2 88.1,12.6
N17058271 on BOTTOM: 92.6,10.2 92.6,9.4 92.3,9.1 79.4,9.1 78.4,10.1 78.4,26.4 78.9,26.9 83.7,26.9 83.9,26.7 83.9,25.4 83.6,25.1 80.4,25.1 79.9,24.6 79.9,12 81.4,10.5 92.3,10.5
N17060290 on TOP: 68.5,39 68.5,31.5 66,31.5 65.7,31.8 65.7,36.6 64.9,37.4 63.6,37.4 63.4,37.6 63.4,39.2 63.8,39.6 67.9,39.6

Small or netless copper shapes (teardrops, artwork), in the pictures only: 267 on TOP, 38 on BOTTOM

## Text on the board
Ref Des/Silkscreen Bottom: NAME:F103_CH4_V10A | DATE:2019_03_10
Ref Des/Silkscreen Top: GND | SWCLK | SWDIO | 3V3 | TX | RX | KEY1 | WK_UP | KEY0 | SIM | CARD | 5V | BAT | ON | OFF
DISPLAY_TOP: SCALE: NONE | Layers | Single Ended | Differential | If the angle of PCB board outline is circular,please use this kind of break out area | If not use it,please delete it before you gerber out | If the angle of PCB board outline is right angle,please use this kind of break out area | AS usual,please use the 0.8MM stamp Via | L1 | L4 | 5.00 | 50 | 4.2 | 6.00 | 100 | 4.70 | 90 | Trace Width | (Mils) | Impedance | (Ohms) | Trace Spacing | "Airgap" | A_TARGET:1.53 mm | ___ PUBI (PUBLIC INFORMATION) | ___ FIUO (HY INTERNAL USE ONLY) | ___ FCP (HY CONFIDENTIAL PROPRIETARY) | THIS DOCUMENT CONTAINS INFORMATION | PROPRIETARY TO FREESCALE AND SHALL | NOT BE USED FOR ENGINEERING DESIGN | PROCUREMENT OR MANUFACTURE IN WHOLE | OR IN PART WITHOUT THE CONSENT OF | NXP. | 1. THIS DRAWING SPECIFIES THE REQUIREMENTS FOR A | 2. THE PWB MUST BE LEAD FREE ASSEMBLY PROCESS COMPATIBLE AND MUST BE ABLE TO HANDLE | 3. BASE MATERIAL - LAMINATE AND PREPREG SHALL MEET IPC-4101B-26, 83 or 98 | Tg - MUST BE GREATER THAN OR EQUAL TO 150 DEGREES CELSIUS. | Td - MUST BE GREATER THAN OR EQUAL TO 330 DEGREES CELSIUS. | 4. COPPER FOIL WEIGHT - SEE STACKUP DETAIL 'A' | 5. CHARACTERISTIC IMPEDANCE - SEE DETAIL 'B' | 6. MINIMUM CONDUCTIVE WIDTH/SPACING TO BE .00X"/.00X" | 7. PLATING FINISH - BOTH SIDES ENIG (ELECTROLESS NICKEL IMMERSION GOLD): | 8. ALL THROUGH HOLE VIAS MAY BE PLATED SHUT. | - MUST BE UL RECOGNIZED AND MUST HAVE AN ID THAT CONFORMS TO UL94V-0 | 9. SOLDERMASK - GREEN COLOR (TAIYO OR EQUIVALENT), BOTH SIDES. | 10. SILKSCREEN - WHITE EPOXY INK, BOTH SIDES.  NO SILK ON PADS. | 11. ELECTRICAL TEST - 100% IPCD356. | 12. PRINTED WIRING BOARD IS TO BE INDIVIDUALLY BAGGED. | 13. DRC'S MUST BE RUN ON THE GERBER BEFORE BUILDING BOARDS, | UNLESS PRIOR APPROVAL IS GIVEN IN WRITING BY FREESCALE. | 14. ADD TEARDROPS TO ALL SIGNAL LAYERS. | 15. SOLDER SAMPLES TO BE PROVIDED. | 16. BASIC GRID INCREMENT AT 1:1 IS .0001. | 17. SUPPLIER MARKINGS - ON SOLDER SIDE ONLY, WHERE SHOWN. | MODIFICATION OF SOLDERMASK IS NOT ALLOWED WITHOUT WRITTEN PERMISSION FROM FREESCALE. | WITH SPECIFICATION IPC-A-600 CLASS 2 (LATEST REVISION). | A MINIMUM OF 5 CYCLES AT 260 DEGREES CELSIUS FOR 10 SECONDS. | 18. THE PWB WILL BE MARKED AS LEAD FREE BY USE OF AN INK STAMP Pb | 19. THE PWB WILL BE MARKED AS LEAD FREE PROCESS COMPATIBLE BY USE OF AN INK STAMP 260 C | 21. FINISHED PCB MUST BE PANELIZED FOR ASSEMBLY ACCORDING TO CONTRACT MANUFACTURING REQUIREMENT. | ADDITION OF .25" RAILS AND .125" NON-PLATED TOOLING HOLES ARE AT THE DISCRETION | OF CONTRACT MANUFACTURER AND FAB HOUSE. | PANELIZATION MUST BE APPROVED BY FREESCALE. | 2.540-6.350 MICRON (100-250 MICROINCH) OF NICKEL. | .05080-.232 MICRON (2-8 MICROINCH) OF GOLD OVER | PRINTED WIRING BOARD IN ACCORDANCE | 20. ALL PLATED AND NON-PLATED THROUGH HOLES ARE TO BE DRILLED AT PRIMARY DRILL STEP. | ALL HOLE LOCATION TOLERANCES ARE TO BE +/-.002 IN REFERENCE TO THE PRIMARY DATUM. | X | XXXLZJXXX | V10A | 19_02_15 | 19-02-15 | JLC:  1.6mm THK +/- 10% | LAYER 1  TOP SIDE          1oz+plating | LAYER 2  BOTTOM SIDE       1oz+plating | FINISHED Cu WEIGHT | NO-***** | 1/1 | CAD-***** | 1 | DETAIL A | LAYER STACKUP | DETAIL B | IMPEDANCE REQUIREMENTS | IMPEDANCE TOLERANCE IS 10% | DRV8711_TEST_V10A | FAB-***** | A2 | HYOC
COMPVAL_TYPE_TOP: FIGURE | FINISHED_SIZE | 0.3048 | 0.9 | 1.0 | 1.1 | 1.3 | 2.4x0.8 | DRILL CHART: TOP to BOTTOM | ALL UNITS ARE IN MILLIMETERS | PLATED | QTY | 459 | 6 | 7 | 12 | 5 | 2 | 491 | TOTAL HOLES:
